# Altium PCB V5+_CORE_RC02.PcbDoc (part 2 of 3) (continued)
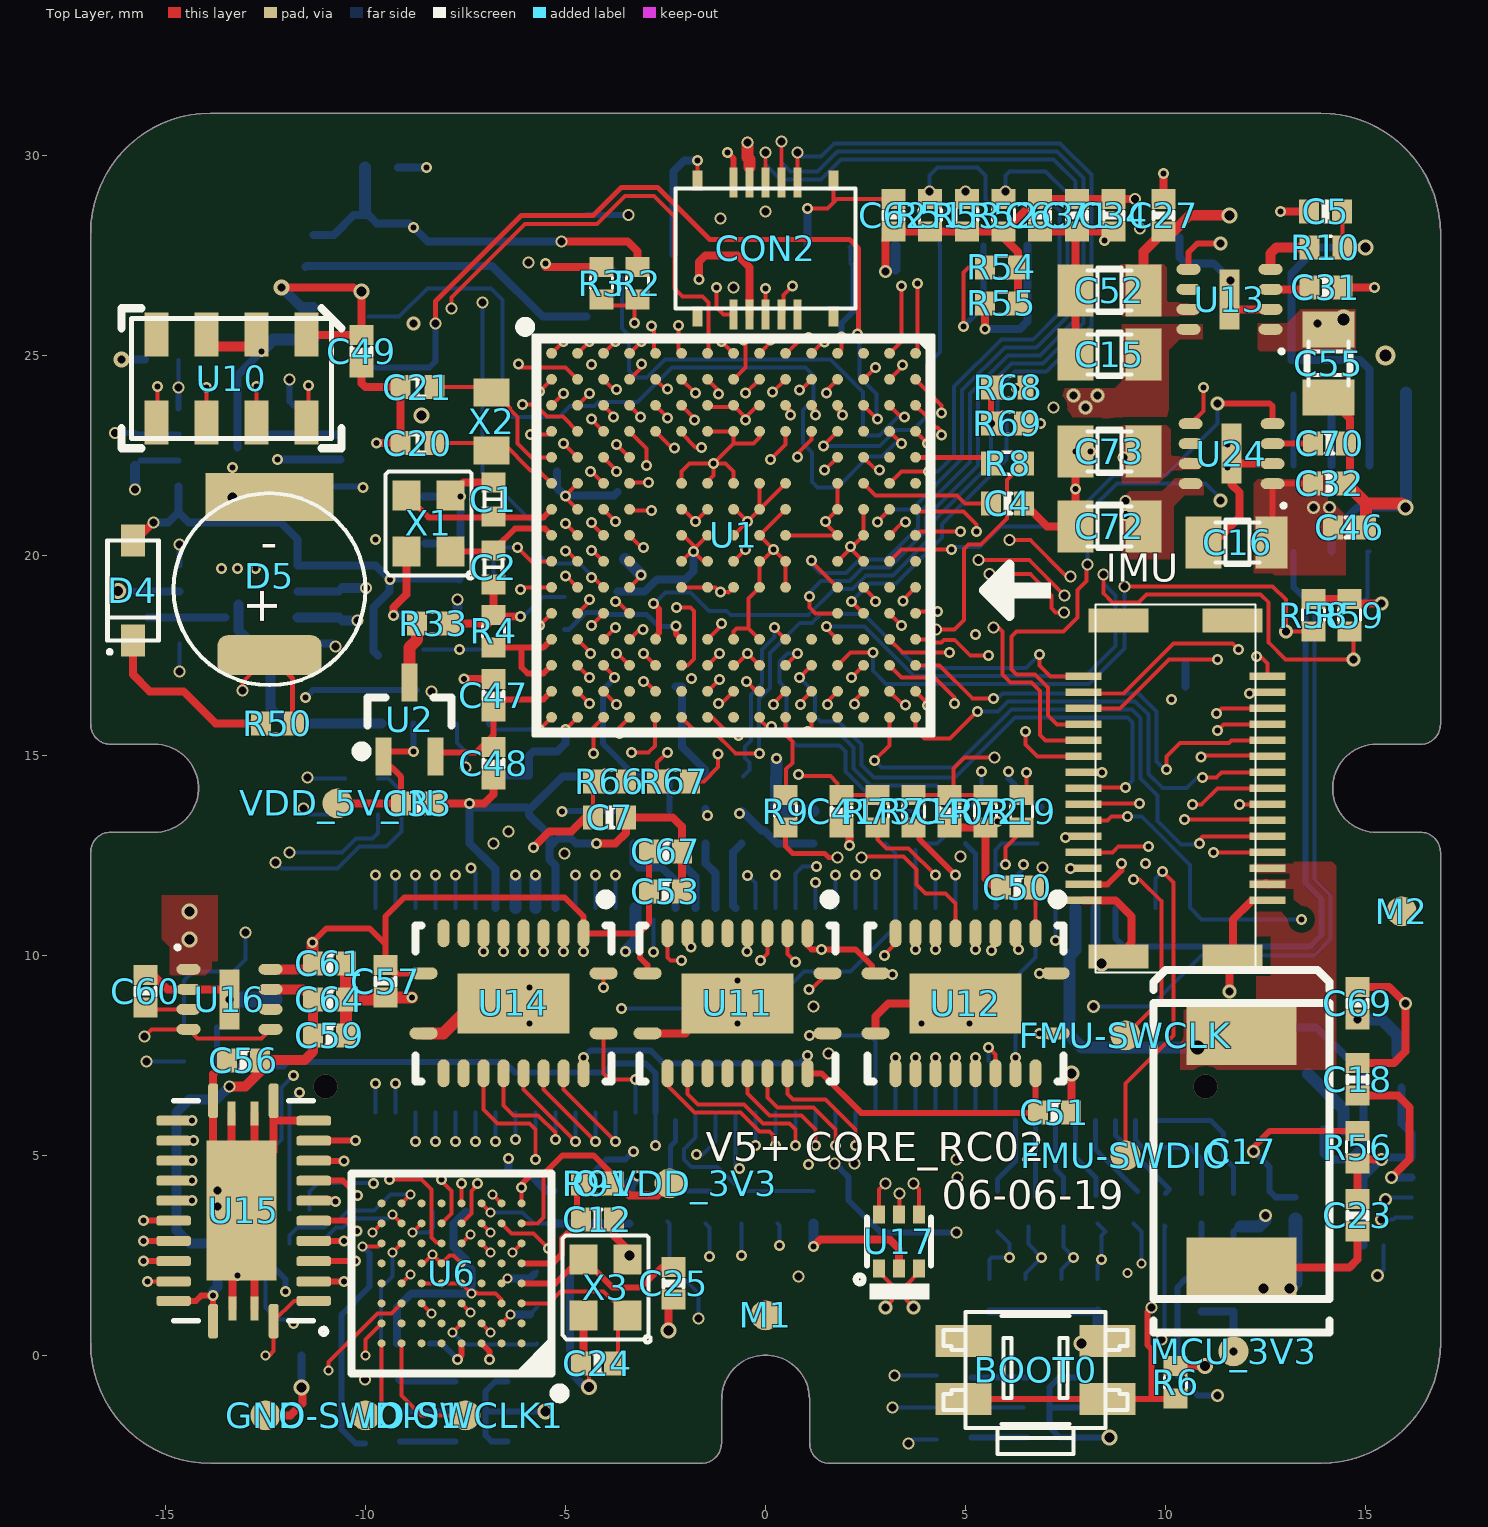
[diagram p0: Top Layer view]
## Nets (pads, with @x,y where several pads share a name; then routed paths per layer and width w, separated by ;. In a path a pad name is that pad's centre, name@x,y a point inside that pad or via, vN(x,y) a via of type N, cw(c..) or ccw(c..) an arc to the next point about the centre after c; other vN are vias at no path point) (continued)
  S1 w0.15: v1(-14.302,5.363) -11.437,5.363 -10.874,5.926 -9.4,5.926 -9.25,6.076 v1(-9.25,6.791)
  Bottom Layer w0.1: CON1.42@-9.25,6.07 v1(-9.25,6.791)
IO-CH3: U6.B3 U15.8 | length 12.1
  Top Layer w0.1: U6.B3@-7.1,0.8 v3(-6.875,0.575)
  Top Layer w0.15: U15.8@-11.297,4.363 -10.564,4.363 v1(-10.2,4)
  S1 w0.1: v1(-10.2,4) -10.2,3.6 -10.35,3.45 -10.709,3.45 -11.282,2.878 -11.282,1.538 -10.36,0.617 -10.36,-0.905 -10.165,-1.1 -8,-1.1 -7.238,-0.338 -7.238,0.212 v3(-6.875,0.575)
IO-CH3-PORT: CON1.43 U15.16 | length 7.3
  Top Layer w0.15: U15.16@-14.836,4.827 U15.16@-14.799,4.863 v1(-14.337,4.863)
  S1 w0.1: v1@-14.3,4.9 -11.582,4.9 -10.781,5.701 -9.102,5.701 v1(-8.75,5.35)
  Bottom Layer w0.1: v1(-8.75,5.35) CON1.43@-8.75,6.07
IO-CH4: U6.A3 U15.7 | length 10.8
  Top Layer w0.15: U15.7@-11.053,3.9 v1@-10.8,3.9 ; U6.A3@-7.1,0.3 -6.9,0.1 v1(-6.9,-0.1)
  S1 w0.1: v1@-10.8,3.9 -10.8,3.642 -11.482,2.961 -11.482,1.455 -10.6,0.574 -10.6,-1.1 -10.4,-1.3 -7.8,-1.3 -6.9,-0.4 v1(-6.9,-0.1)
  other v1: -10.75,3.85
IO-CH4-PORT: CON1.44 U15.17 | length 11.9
  Top Layer w0.15: U15.17@-14.799,4.363 v1(-14.337,4.363)
  S1 w0.1: v1(-14.337,4.363) -14.664,4.363 -14.8,4.5 -14.8,6.168 -13.631,7.338 -9.121,7.338 -8.25,6.467 v1(-8.25,5.35)
  Bottom Layer w0.1: v1(-8.25,5.35) CON1.44@-8.25,6.07
IO-CH5: U6.G4 U15.6 | length 10.9
  Top Layer w0.1: U6.G4@-7.6,3.3 -7.35,3.55 -7.35,4.108 -7.288,4.17 -7.288,4.212 v1(-7.2,4.3)
  Top Layer w0.15: U15.6@-11.297,3.363 -10.463,3.363 v1(-10.213,3.113)
  S1 w0.1: v1(-10.213,3.113) -10.324,3.113 -10.404,3.193 -10.684,3.193 -11.082,2.795 -11.082,1.621 -10.66,1.2 -9.675,1.2 -9.45,1.425 -8.733,1.425 -8.158,2 -7.868,2 -7.7,2.167 -7.7,3.575 -7.2,4.075 v1@-7.2,4.317
IO-CH5-PORT: CON1.45 U15.18 | length 13.4
  Top Layer w0.15: U15.18@-14.836,3.827 U15.18@-14.799,3.863 v1(-14.337,3.863)
  S1 w0.1: v1@-14.3,3.9 -14.9,3.9 -15,4 -15,6.251 -13.714,7.538 -9.038,7.538 -7.75,6.25 v1(-7.75,5.35)
  Bottom Layer w0.1: v1(-7.75,5.35) CON1.45@-7.75,6.07
IO-CH6: U6.H4 U15.5 | length 8.1
  Top Layer w0.1: U6.H4@-7.6,3.8 v1(-7.6,4.3)
  Top Layer w0.15: U15.5@-11.297,2.855 v1(-10.544,2.855)
  S1 w0.1: v1(-10.544,2.855) -10.882,2.518 -10.882,1.704 -10.578,1.4 -9.758,1.4 -9.533,1.625 -8.816,1.625 -8.241,2.2 -8,2.2 -7.9,2.3 -7.9,3.725 -7.6,4.025 v1(-7.6,4.3)
IO-CH6-PORT: CON1.46 U15.19 | length 14.6
  Top Layer w0.15: v1(-15.552,3.363) U15.19@-14.799,3.363
  S1 w0.1: v1(-15.552,3.363) -15.337,3.363 -15.2,3.5 -15.2,6.334 -13.797,7.738 -8.955,7.738 -7.25,6.032 v1(-7.25,5.35)
  Bottom Layer w0.1: v1(-7.25,5.35) CON1.46@-7.25,6.07
IO-CH7: U6.F5 U15.4 | length 6.5
  Top Layer w0.1: v1(-9.4,4.4) -8.6,4.4 -8.35,4.15 -8.35,2.95 -8.225,2.825 -8.125,2.825 U6.F5@-8.1,2.8
  Top Layer w0.15: U15.4@-11.297,2.351 v1(-10.249,2.351)
  S1 w0.1: v1(-10.249,2.351) -9.849,2.351 -9.65,2.55 -9.65,2.709 -9.5,2.859 -9.5,3.24 -9.65,3.39 -9.65,3.809 -9.463,3.997 -9.463,4.337 v1(-9.4,4.4)
IO-CH7-PORT: CON1.47 U15.20 | length 16.1
  Top Layer w0.15: v1(-15.552,2.859) U15.20@-14.799,2.859
  S1 w0.1: v1(-15.552,2.859) -15.76,2.859 -15.9,3 -15.9,3.6 -15.4,4.1 -15.4,6.417 -13.88,7.938 -8.873,7.938 -6.75,5.815 v1(-6.75,5.35)
  Bottom Layer w0.1: v1(-6.75,5.35) CON1.47@-6.75,6.07
IO-CH8: U6.G5 U15.3 | length 6.2
  Top Layer w0.1: U6.G5@-8.1,3.3 -7.85,3.55 -7.85,4.108 -8.1,4.358 v1(-8.1,4.4)
  Top Layer w0.15: U15.3@-11.297,1.843 v1(-10.544,1.843)
  S1 w0.1: v1(-10.544,1.843) -9.557,1.843 -8.475,2.925 -8.475,3.675 -8.1,4.05 v1(-8.1,4.4)
IO-CH8-PORT: CON1.48 U15.21 | length 17.4
  Top Layer w0.15: v1(-15.552,2.351) U15.21@-14.799,2.351
  S1 w0.1: v1(-15.552,2.351) -16.1,2.9 -16.1,3.682 -15.6,4.182 -15.6,6.5 -13.963,8.137 -8.79,8.137 -6.25,5.598 v1(-6.25,5.4) v1@-6.25,5.35
  Bottom Layer w0.1: v1@-6.25,5.35 v1(-6.25,5.4) CON1.48@-6.25,6.07
IO-USART1_TX_DEBUG: CON1.59 U6.C7 | length 19.4
  Top Layer w0.1: v3(-10.925,-0.375) -10.925,-0.172 -9.704,1.05 -9.35,1.05 U6.C7@-9.1,1.3
  S1 w0.1: v3(-10.925,-0.375) -10.925,-1.175 -10.6,-1.5 -7.718,-1.5 -6.563,-0.346 -6.563,0.378 -5.766,1.175 -2.718,1.175 -1.793,2.1 -1.2,2.1 -0.938,2.362 -0.938,4.487 -0.75,4.675 v1(-0.65,4.675)
  Bottom Layer w0.1: v1@-0.75,4.725 CON1.59@-0.75,6.07
IO-VDD_3V3: C26.2 C27.2 C30.1 C52.1 C65.2 C66.2 IO-VDD_3V3.0 R91.1 U6.B2 U6.D2 U6.E4 U6.E5 U6.E6 U6.G1 U6.H1 U7.8 U13.7 | length 83.2
  Top Layer w0.1: U6.E6@-8.6,2.3 -8.55,2.3 v3(-8.325,2.525) U6.E5@-8.1,2.3 -7.9,2.5 -7.8,2.5 U6.E4@-7.6,2.3 ; U6.B2@-6.6,0.8 v3(-6.375,1.025) ; U6.G1@-6.1,3.3 -5.7,3.3 -5.55,3.45 -5.55,4.525 ; U6.H1@-6.1,3.8 v1(-6.1,4.2)
  Top Layer w0.15: v1(-6.1,4.2) -6.1,4.275 -5.85,4.525 -5.55,4.525 -5.075,5 -4.3,5 -3.89,4.59 R91.1@-3.89,4.3
  Top Layer w0.2: R91.1@-3.79,4.3 -3.7,4.3 -3.4,4 -2.7,4 IO-VDD_3V3.0@-2.4,4.3
  Top Layer w0.254: C52.1@9.45,26.625 9.45,27.59 C27.2@9.95,28.09 10.19,28.09 10.6,28.5 v6(11.6,28.5)
  S2 w0.3: v3(-6.375,1.025) -6.375,0.55 -5.95,0.125 -1.775,0.125 -1.05,0.85 1.2,0.85 1.7,0.35 4.574,0.35 5.45,1.226 5.45,2.926 6.024,3.5 9,3.5 12.425,6.925 12.425,15.155 13.425,16.155 13.425,17.003 12.535,17.893 12.535,18.286 12.814,18.565 13.289,18.565 13.425,18.701 12.525,19.601 ; v6(11.6,28.5) 12.5,27.599 ; 12.5,27.599 12.5,19.626 12.525,19.601 ; 12.5,27.599 12.525,19.601
  POWER w0.2: v1(-11.8,0.8) -11.3,1.3 -8.9,1.3 -8.275,1.925 -7.775,1.925 ; v3(-8.325,2.525) -8.325,2.475 -7.775,1.925 ; v3(-6.375,1.025) -6.45,1.1 v3(-6.45,1.925) ; v1(-6.1,4.2) -5.55,4.2 -5,3.65 -5,2.552 -5.627,1.925 v3(-6.45,1.925) ; -7.775,1.925 v3(-6.45,1.925)
  Bottom Layer w0.1: U7.8@-12.9,2.8 -12.9,2.3 -12.5,1.9 -12.5,1.199 -12.2,0.9 C30.1@-11.8,0.9 ; C66.2@-5.885,1.025 C66.2@-5.71,1.2 ; C65.2@-5.785,2.025 C65.2@-5.71,2.1
  Bottom Layer w0.2: v3(-6.45,1.925) -5.885,1.925 C65.2@-5.785,2.025 ; v3(-6.375,1.025) C66.2@-5.885,1.025
IO_A_3V3: C50.2 C53.2 C57.2 C61.2 C67.2 U11.2 U11.10 U12.2 U12.10 U14.2 U14.10 U15.1 U15.2 U16.8 | length 49.5
  Top Layer w0.1: v3(-12.5,0) -12.4,0 -12.297,0.103 U15.1@-12.297,0.853 -11.789,1.361 U15.2@-11.297,1.361 ; C57.2@-9.5,9.76 C57.2@-9.29,9.55 ; v1(-4.55,10.1) U14.2@-4.55,10.55 ; U12.10@2.662,9.637 U12.10@2.75,9.55 U12.10@2.774,9.525 ; U12.2@6.75,10.55 6.75,11.66 C50.2@6.71,11.7 6.71,11.86 6.9,12.05 6.9,12.175 v2(6.925,12.2)
  Top Layer w0.15: v1(-11.325,10.325) -10.975,10.675 -9.9,10.675 -9.5,10.275 ; C57.2@-9.5,9.76 -9.5,10.275 ; C57.2@-9.29,9.55 U14.10@-8.55,9.55 ; U11.10@-2.95,9.55 -2.95,9.752 -3.138,9.939 -3.138,10.575 ; C53.2@-2.91,11.6 -2.91,10.802 -3.138,10.575 ; C53.2@-2.91,11.6 C67.2@-2.91,12.6 ; U11.2@1.05,10.55 1.05,10.25 1.15,10.15 v1(1.4,10.15) 2.25,10.15 2.662,9.737 U12.10@2.662,9.637 ; -9.5,10.275 -9.5,10.975 -9.025,11.45 -5.025,11.45 -4.55,10.975 U14.2@-4.55,10.55 -3.163,10.55 -3.138,10.575
  Top Layer w0.25: U16.8@-12.375,9.65 C61.2@-11.46,9.65
  Top Layer w0.3: v1(-11.325,10.325) -11.325,9.815 C61.2@-11.31,9.8
  S1 w0.15: v1(-4.55,10.1) -4.55,9.825 -4.325,9.6 -2.9,9.6 -2.312,9.012 0.44,9.012 0.933,9.504 1.379,9.95 1.379,10.15 v1(1.4,10.15) ; v1(3.175,9.525) 3.224,9.525 3.45,9.3 5.987,9.3 6.687,10 6.687,11.962 v2(6.925,12.2)
  POWER w0.2: v3(-12.5,0) -12.5,5 -13.9,6.4 -13.9,7 -13.513,7.388 -11.613,7.388 -11.325,7.675 v1(-11.325,10.325)
IO_B_3V3: C51.2 C56.2 C58.2 C59.2 C64.2 U11.19 U12.19 U14.19 U15.23 U15.24 U16.7 | length 37.5
  Top Layer w0.1: U11.19@1.05,7.05 v1(1.05,7.5)
  Top Layer w0.15: U15.23@-14.799,1.361 -14.239,1.361 -14.109,1.491 v1(-13.809,1.491) U15.24@-13.809,0.853 ; U11.19@1.05,7.05 1.4,7.05 2.39,6.06 6.75,6.06 U12.19@6.75,7.05
  Top Layer w0.25: v2(-13.401,6.725) -13.001,6.725 ; -13,6.725 -12.338,7.388 -11.513,7.388 -11.31,7.59 C64.2@-11.31,8.9 -11.56,9.15 U16.7@-12.375,9.15
  POWER w0.25: v2(-13.401,6.725) -12.525,6.725 -11.775,5.975 -5.025,5.975 -4.55,6.45 v1(-4.55,7.45)
  Bottom Layer w0.15: v1(-4.55,7.45) -4.375,7.625 -2.875,7.625 -2.55,7.3 0.85,7.3 v1(1.05,7.5)
  Bottom Layer w0.25: v1(-13.809,1.491) -13.809,1.6 -13.7,1.708 C58.2@-13.7,2.8 -14.4,2.8 -14.725,3.125 -14.725,6.075 -14.4,6.4 -13.726,6.4 v2(-13.401,6.725)
IO_BOOT0: R90.2 U6.B4 | length 2.6
  Top Layer w0.1: v3(-7.825,0.575) U6.B4@-7.6,0.8
  Bottom Layer w0.1: v3(-7.825,0.575) -7.525,0.275 -5.735,0.275 R90.2@-5.71,0.3
IO_BOOT1: R80.1 U6.G6 | length 1.3
  Top Layer w0.1: v3(-8.825,3.075) U6.G6@-8.6,3.3
  Bottom Layer w0.1: v3(-8.825,3.075) -8.425,3.075 -8.31,3.19 R80.1@-8.31,3.6
IO_OSC_OUT: C25.2 U6.D1 X3.3 | length 4.4
  Top Layer w0.15: U6.D1@-6.1,1.8 -5.25,1.8 X3.3@-4.65,2.4 ; X3.3@-4.55,2.4 -4.532,2.4 -3.832,1.7 -3.1,1.7 -2.59,2.21 C25.2@-2.3,2.21
IO_PPM_INPUT: R99.2 U6.D7 | length 14.9
  Top Layer w0.1: U6.D7@-9.1,1.8 v3(-8.875,2.025)
  S2 w0.1: v2(-15.475,7.35) -15.475,6.625 -14.819,5.968 -14.819,1.472 -14.497,1.15 -13.204,1.15 -12.416,1.937 -11.495,1.937 -10.682,1.125 -9.075,1.125 -8.875,1.325 v3(-8.875,2.025)
  Bottom Layer w0.1: v2(-15.475,7.35) R99.2@-14.535,7.35
IO_RESET: C12.2 R91.2 U6.E1 | length 3.1
  Top Layer w0.15: U6.E1@-6.1,2.3 -5.323,2.3 -5.087,2.535 -5.087,2.923 C12.2@-4.61,3.4 ; C12.2@-4.71,3.4 R91.2@-4.71,4.3
IO_RSSI_IN: R65.1 U6.B8 U6.F4 | length 15
  Top Layer w0.1: v3(-10,0) -10,0.4 U6.B8@-9.6,0.8 ; U6.F4@-7.6,2.8 v3(-7.375,3.025)
  S1 w0.1: v3(-10,0) -10,0.875 -9.875,1 -9.593,1 -9.368,1.225 -8.65,1.225 -8.075,1.8 -7.785,1.8 -7.375,2.209 v3(-7.375,3.025)
  S2 w0.1: v3(-7.375,3.025) -7.375,2.562 -7.063,2.25 -6.15,2.25 -5.7,1.8 -0.9,1.8 -0.6,2.1 v1(-0.6,2.5)
  Bottom Layer w0.1: v1(-0.6,2.5) R65.1@-0.6,3.29
IO_SAFETY_SWITCH_IN: R82.1 U6.C4 | length 27.4
  Top Layer w0.1: U6.C4@-7.6,1.3 v3(-7.375,1.075)
  S2 w0.1: v3(-7.375,1.075) -7.225,1.225 -7.216,1.225 -7.091,1.35 1.532,1.35 2.363,2.18 2.363,4.158 2.987,4.782 2.987,6.803 2.55,7.24 2.55,10.567 2.87,10.887 3.221,10.887 3.887,11.553 3.887,13.979 4.17,14.262 5.737,14.262 v1(6.075,14.6)
  Bottom Layer w0.15: v1(6.075,14.6) 6.075,14.425 6.8,13.7 R82.1@6.8,13.61 R82.1@6.9,13.71
IO_SBUS_INPUT: U6.H7 U7.6 | length 4
  Top Layer w0.1: U6.H7@-9.1,3.8 v3(-8.875,4.025)
  Bottom Layer w0.1: U7.6@-11.9,2.8 -11.9,2.999 -11.7,3.2 -11.025,3.2 -10.825,3.4 -10.651,3.4 -10.425,3.625 -9.775,3.625 -9.375,4.025 v3(-8.875,4.025)
IO_SBUS_OUTPUT: U6.G7 U7.5 | length 2.7
  Top Layer w0.1: v3(-9.325,3.525) U6.G7@-9.1,3.3
  Bottom Layer w0.1: U7.5@-11.4,2.8 -11.142,2.8 -10.742,3.2 -10.568,3.2 -10.342,3.425 -9.425,3.425 v3(-9.325,3.525)
IO_SPARE_GPIO1: U6.D3
IO_SPARE_GPIO2: U6.C3
IO_SPARE_GPIO3: U6.A1
IO_SPARE_GPIO4: U6.B1
IO_SPARE_GPIO5: U6.C8
IO_SPARE_GPIO6: U6.H8
IO_SWCLK: IO-SWCLK1.0 U6.A7 | length 3.3
  Top Layer w0.1: U6.A7@-9.1,0.3 -9.1,-1 -8.6,-1.5 IO-SWCLK1.0@-7.35,-1.5
IO_SWDIO: IO-SWDIO1.0 U6.A8 | length 1.9
  Top Layer w0.1: IO-SWDIO1.0@-9.9,-1.5 -9.6,-1.2 U6.A8@-9.6,0.3
IO_SWO: U6.A5
IO_USART1_RX_SBUS_INPUT: R17.1 U6.C6 U7.2 | length 23.6
  Top Layer w0.1: U6.C6@-8.6,1.3 -8.35,1.05 v3(-8.35,1.045)
  S1 w0.1: v3(-8.35,1.045) -8.205,0.9 -7.691,0.9 -7.5,0.709 -7.216,0.709 -6.55,1.375 -2.8,1.375 -1.713,2.462 -1.413,2.462 v1(-1.4,2.475)
  S2 w0.1: v1(-11.8,7) -12.2,6.6 -12.2,2.4 -11.937,2.137 -11.412,2.137 -10.6,1.325 -9.4,1.325 -9.2,1.525 -9.2,2.159 -9.01,2.35 -8.741,2.35 -8.35,1.959 v3(-8.35,1.045)
  Bottom Layer w0.1: U7.2@-12.4,3.65 -12.4,5.1 -12.1,5.4 -12.1,6.407 ; -12.1,6.408 -12.1,6.7 v1(-11.8,7) ; R17.1@-1.5,3.29 -1.4,3.19 v1(-1.4,2.475)
IO_USART2_RX_FROM_FMU: R84.1 U6.G3 | length 23.1
  Top Layer w0.1: U6.G3@-7.1,3.3 v3(-6.875,3.075)
  S1 w0.1: v2@-12.2,12.325 -11.975,12.1 -11.975,8.875 -11.438,8.337 -8.707,8.337 -5.913,5.544 -5.913,5.26 -6.088,5.085 -6.088,4.737 -4.983,3.632 -4.983,2.408 -5.29,2.1 -5.9,2.1 -5.9,2.699 -6.275,3.075 v3(-6.875,3.075)
  Bottom Layer w0.1: v2(-12.25,12.325) -12.1,12.175 -10.7,12.175 -10.15,12.725 -9.475,12.725 -9.1,13.1 -9.1,14.1 -9.425,14.425 R84.1@-9.69,14.425
IO_USART2_TX_TO_FMU: R81.1 U6.F3 | length 21.2
  Top Layer w0.1: U6.F3@-7.1,2.8 v3(-6.875,2.575)
  S1 w0.1: v2@-11.875,12.525 -11.775,12.425 -11.775,8.957 -11.355,8.537 -8.624,8.537 -5.588,5.501 -5.588,5.26 -5.413,5.085 -5.413,4.412 -4.7,3.699 -4.7,2.408 -5.533,1.575 -6.56,1.575 -6.875,1.89 v3(-6.875,2.575)
  Bottom Layer w0.1: v2(-11.9,12.575) -10.583,12.575 -10.233,12.925 -9.825,12.925 -9.69,13.06 R81.1@-9.69,13.525
IO_VDD_SERVO_SENSE: C54.1 R92.2 R93.2 U6.H3 | length 3.9
  Top Layer w0.1: U6.H3@-7.1,3.8 v3(-6.875,3.575)
  Bottom Layer w0.1: v3(-6.875,3.575) -6.075,3.575 -5.79,3.29 R93.2@-5.3,3.29
  Bottom Layer w0.2: R93.2@-5.3,3.29 R92.2@-4.3,3.29 C54.1@-3.4,3.29
MCU_3V3: BOOT0.A2 C5.2 C6.2 C7.2 C8.2 C9.2 C10.2 C11.2 C14.1 C15.1 C22.1 D4.A MCU_3V3.0 R1.2 R2.2 R5.2 R7.2 R10.2 R15.2 R16.2 R18.2 R24.2 R25.2 R29.2 R30.2 R31.2 R32.2 R49.1 R66.2 R68.2 R75.2 R76.2 U1.C5 U1.C7 U1.C8 U1.C9 U1.F3 U1.G3 U1.G13 U1.H13 U1.J12 U1.J13 U1.K4 U1.N8 U1.N9 U1.N10 U3.8 U5.6 U8.5 U9.5 U13.8 U16.4 U16.5 | length 133
  Top Layer w0.1: v2(-15.525,7.975) -15.35,8.15 U16.4@-14.425,8.15 -14.2,7.925 -12.6,7.925 U16.5@-12.375,8.15 ; v1@-4.375,22.125 U1.F3@-4.05,21.8 ; C7.2@-4.31,13.64 R66.2@-4.31,14.35 ; U1.G3@-4.05,21.15 v1(-3.75,20.85) ; U1.K4@-3.4,19.2 -3.113,19.487 v1(-3.113,19.512) ; U1.C5@-2.75,23.75 -2.45,23.45 v1@-2.45,23.476 ; U1.C7@-1.45,23.75 -1.413,23.712 -0.838,23.712 U1.C8@-0.8,23.75 v1@-0.5,23.45 ; U1.N8@-0.75,17.25 v1(-0.45,17.55) U1.N9@-0.15,17.25 ; v1(-0.5,23.376) v1@-0.5,23.45 ; U1.C9@-0.2,23.75 v1@-0.5,23.45 ; U1.N10@0.5,17.25 v1(0.8,17.55) ; U1.J12@1.8,19.85 v1@2.125,20.175 ; U1.J13@2.45,19.85 v1@2.125,20.175 ; U1.G13@2.45,21.15 U1.H13@2.45,20.5 2.175,20.225 v1(2.125,20.225) v1@2.125,20.175 ; R10.2@14.42,27.7 C5.2@14.42,28.59
  Top Layer w0.2: D4.A@-15.818,20.364 -15.761,20.364 v2(-15.3,20.825) ; v1(-5.8,12.7) -5.4,13.1 -4.85,13.1 C7.2@-4.31,13.64 ; v2(-5.1,27.85) -3.45,27.85 -3.2,27.6 R2.2@-3.2,27.21 ; R10.2@14.42,27.7 v6(15,27.7)
  S1 w0.2: v8(-16.1,24.9) -16.1,24 -15.8,23.7 -15.3,23.7 -15,23.4 -15,21.125 v2(-15.3,20.825)
  S2 w0.2: v2(-15.525,7.975) -15.525,9.275 -14.9,9.9 -12.7,9.9 -12.5,10.1 -12.5,11.3 -12.2,11.6 -11.3,11.6 -10.65,12.25 -10.65,14.35 -10.3,14.7 v2(-7.5,14.7) -7.8,14.4 -7.8,12.8 -7.57,12.569 -7.202,12.569 -7.033,12.4 -6.635,12.4 -6.535,12.5 -6.1,12.5 -5.9,12.7 v1(-5.8,12.7) ; 10.3,1.7 11.2,1.7 11.7,1.2 v4(11.7,0.1)
  S2 w0.25: v1(6.275,24.175) 6.275,28.575 7.035,29.335 9.411,29.335 9.845,28.9 11,28.9 11.4,29.3 13.4,29.3 13.9,28.8 13.9,27.7 ; v6(7.9,0.3) 7.9,1.3 8.252,1.652 10.252,1.652 10.6,2 10.6,4.57 12.8,6.77 12.8,15 13.8,16 13.8,18.9 12.9,19.8 12.9,27.3 13.3,27.7 13.9,27.7 ; v6(15,27.7) 13.9,27.7
  Bottom Layer w0.1: R7.2@-7.71,15.8 -7.71,15.31 -7.5,15.1 v2(-7.5,14.7) ; v1(0.8,17.55) 0.55,17.55 0.35,17.35 0.35,16.837 0.525,16.662 0.525,15.5 0.775,15.25 1.85,15.25 2,15.1 2,14.592 2.982,13.61 R31.2@3,13.61 R32.2@3.9,13.61
  Bottom Layer w0.15: v1@-9.4,19.4 R5.2@-7.62,19.4 ; R5.2@-7.675,19.39 R5.2@-7.653,19.367
  Bottom Layer w0.2: v8(-16.1,24.9) R1.2@-15.51,24.9 ; v2(-15.3,20.825) -14.925,20.825 -14.675,21.075 ; U8.5@-14.675,21.725 -14.675,21.075 ; R49.1@-11.3,28.01 -10.79,28.01 -10.295,28.505 U3.8@-9.925,28.505 -9.72,28.3 -8.9,28.3 -8.45,27.85 v2(-5.1,27.85) ; R18.2@-9.69,17.5 -9.8,17.61 -9.8,18.7 -9.4,19.1 -9.4,19.4 -9.75,19.75 U9.5@-11.7,19.75 -11.7,20.4 -12.125,20.825 -14.425,20.825 -14.675,21.075 ; R29.2@5.6,1.09 R16.2@8.3,1.09 ; R25.2@10.9,1.09 R24.2@11.7,1.09 v4(11.7,0.1) ; v6(15,27.7) 13.8,27.7 13.15,27.05 R76.2@13.15,24.885 R75.2@14.15,24.885 14.865,24.885 15.1,24.65 U5.6@15.1,22.25
  Bottom Layer w0.25: v6(7.9,0.3) 8.2,0.3 8.3,0.4 R16.2@8.3,1.09
  Bottom Layer w0.3: U3.8@-10.01,28.59 C8.2@-10.01,29.7 ; C9.2@-3.51,19.91 v1(-3.113,19.512)
  other v1: -9.39,19.39 -4.375,22.1 -2.45,23.426 -8.8,28.2
  other v5: 8,23.7 7.7,24 8.3,24
  other v6: -8.6,23.5
NetC3_1: C3.1 U1.M10 | length 4.6
  Top Layer w0.1: v1(0.225,18.201) 0.225,18.175 U1.M10@0.5,17.9
  Bottom Layer w0.1: C3.1@-0.56,14.475 -0.406,14.629 -0.406,14.814 -0.518,14.926 -0.518,15.216 -0.363,15.371 -0.363,16.521 -0.088,16.796 -0.088,17.645 0.225,17.958 v1(0.225,18.201)
NetC4_1: C4.1 U1.F13 | length 3.4
  Top Layer w0.1: U1.F13@2.45,21.8 2.75,21.5 4.79,21.5 4.99,21.3 C4.1@5.64,21.3
NetC18_2: C18.2 U4.14 | length 3.9
  Top Layer w0.2: C18.2@14.8,6.49 15.31,6.49 15.81,6.49 16.1,6.2 16.1,4.9 15.9,4.7 v4(15.65,4.45)
  Bottom Layer w0.2: v4(15.65,4.45) U4.14@16.15,4.45
NetC19_1: C19.1 U4.10 | length 1.8
  Bottom Layer w0.3: C19.1@13.562,7.038 14.45,6.15 U4.10@14.45,5.65
NetC24_1: C24.1 U6.C1 X3.1 | length 4.2
  Top Layer w0.1: U6.C1@-6.1,1.3 -5.432,1.3 -5.132,1.6 -4.05,1.6 X3.1@-3.59,1.14 ; C24.1@-3.69,-0.2 X3.1@-3.69,1.14
NetC31_1: C31.1 U13.3 | length 0.9
  Top Layer w0.2: U13.3@12.625,26.65 C31.1@13.55,26.65
NetC60_1: C60.1 U16.3 | length 1
  Top Layer w0.1: C60.1@-15.46,8.65 U16.3@-14.425,8.65
NetC70_1: C70.1 U24.3 | length 1.1
  Top Layer w0.15: U24.3@12.677,22.789 C70.1@13.779,22.789
NetD1_1: D1.1 R41.2 | length 1.4
  Bottom Layer w0.15: R41.2@5.15,-0.55 D1.1@6.55,-0.55
NetD1_3: D1.3 R42.2 | length 1.4
  Bottom Layer w0.1: R42.2@5.1,-1.3 D1.3@6.45,-1.3
NetD1_5: D1.5 R40.2 | length 1.4
  Bottom Layer w0.15: R40.2@5.15,-2.05 D1.5@6.55,-2.05
NetD2_1: D2.1 R95.2 | length 1.5
  Bottom Layer w0.15: R95.2@-9.19,-0.6 -9.14,-0.65 D2.1@-7.75,-0.65
NetD2_3: D2.3 R96.2 | length 1.3
  Bottom Layer w0.15: R96.2@-9.19,-1.4 D2.3@-7.85,-1.4
NetD2_5: D2.5 R97.2 | length 1.4
  Bottom Layer w0.15: R97.2@-9.14,-2.15 D2.5@-7.75,-2.15
NetD4_K: D4.K R50.2 | length 4.6
  Top Layer w0.2: D4.K@-15.818,17.864 -15.818,17.017 -15.4,16.6 -14.55,16.6 -13.75,15.8 R50.2@-12.61,15.8
NetR10_1: R10.1 U13.4 | length 1.4
  Top Layer w0.25: U13.4@12.625,27.15 12.625,27.55 12.775,27.7 R10.1@13.6,27.7
NetR33_2: R33.2 U2.3 | length 1.6
  Top Layer w0.3: U2.3@-8.9,16.825 -8.9,17.7 -8.71,17.89 R33.2@-8.71,18.3
NetR76_1: R76.1 U5.4 | length 1.8
  Bottom Layer w0.15: U5.4@13.2,22.25 R76.1@13.2,24.015
NFMU_SAFETY_SWITCH_LED_OUT: R9.2 U1.R10 | length 1.9
  Top Layer w0.1: U1.R10@0.5,15.95 0.5,15.525 0.675,15.35 0.675,14.812 0.514,14.652 R9.2@0.514,14.21
NIO_LED_AMBER: R96.1 U6.F7 | length 4.7
  Top Layer w0.1: v3(-9.325,2.575) U6.F7@-9.1,2.8
  Bottom Layer w0.1: R96.1@-10.01,-1.4 -9.725,-1.4 -9.61,-1.285 -9.61,1.69 -9.325,1.975 v3(-9.325,2.575)
NIO_LED_BLUE: R97.1 U6.F8 | length 6.2
  Top Layer w0.1: v3(-10.075,2.725) -9.675,2.725 U6.F8@-9.6,2.8
  Bottom Layer w0.15: v3(-10.075,2.725) -9.9,2.551 -9.9,1.718 -10.6,1.018 -10.6,-1.85 -10.25,-2.2 R97.1@-10.01,-2.2
NIO_SAFETY_SWITCH_LED_OUT: R89.2 U6.G8 | length 29.4
  Top Layer w0.1: v3(-9.825,3.075) U6.G8@-9.6,3.3
  S2 w0.1: v3(-9.825,3.075) -9.285,3.075 -8.96,2.75 -8.6,2.75 -8.5,2.85 -8.15,2.85 -7.3,2 -6.985,2 -6.535,1.55 1.45,1.55 2.163,2.263 2.163,4.241 2.787,4.865 2.787,6.72 2.35,7.157 2.35,10.65 2.787,11.087 3.138,11.087 3.687,11.636 3.687,14.062 4.225,14.6 v1(5.4,14.6)
  Bottom Layer w0.1: R89.2@5,13.61 5.4,14.01 v1(5.4,14.6)
NIO_VDD_SERVO_IN_FAULT: U6.A6
nLED_BLUE: R40.1 U1.G15 | length 33.8
  Top Layer w0.1: U1.G15@3.75,21.15 3.8,21.1 4.95,21.1 5.275,20.775 v1(5.275,20.6)
  S1 w0.1: v2(3.575,-2.2) 4.6,-2.2 5.35,-1.45 5.35,3.142 6.075,3.867 6.075,6.075 5.25,6.9 2.975,6.9 2.637,7.237 2.637,10.429 3.287,11.079 3.287,14.394 3.462,14.569 3.462,15.539 2.962,16.039 2.962,16.485 2.962,16.523 3.239,16.8 6.025,16.8 6.25,17.025 6.25,19.728 5.379,20.6 v1(5.275,20.6)
  Bottom Layer w0.1: v2(3.575,-2.2) 3.675,-2.1 R40.1@4.28,-2.1
nLED_GREEN: R41.1 U1.H15 | length 32.3
  Top Layer w0.1: U1.H15@3.75,20.5 3.85,20.6 v1(4.875,20.6)
  S1 w0.1: v2(3.225,-0.5) 4.6,-0.5 5.15,0.05 5.15,3.225 5.875,3.95 5.875,5.992 5.167,6.7 2.892,6.7 2.437,7.154 2.437,10.512 3.087,11.162 3.087,14.477 3.262,14.652 3.262,15.456 2.762,15.956 2.762,16.567 2.762,16.606 3.156,17 5.9,17 6.05,17.15 6.05,19.646 5.433,20.262 5.135,20.262 4.937,20.46 4.937,20.537 v1(4.875,20.6)
  Bottom Layer w0.1: v2@3.125,-0.5 v2(3.225,-0.5) R41.1@4.28,-0.5
nLED_RED: R42.1 U1.R4 | length 23.6
  Top Layer w0.1: v1(-3.65,15.55) -3.65,15.7 U1.R4@-3.4,15.95
  S1 w0.1: v2(0.825,1.975) 1.725,1.975 2.225,1.475 2.225,-1.025 2.5,-1.3 v2(3.175,-1.3)
  S2 w0.1: v1(-3.65,15.55) -3.688,15.512 -3.688,14.612 -3.05,13.975 -3.05,11.3 -3.838,10.512 -3.838,9.96 -3.35,9.472 -3.35,8.977 -2.55,8.177 -2.55,6.875 -1.388,5.712 -1.388,3.587 -0.95,3.15 -0.2,3.15 0,2.95 0,2.475 0.125,2.35 0.65,2.35 0.825,2.175 v2(0.825,1.975)
  Bottom Layer w0.1: v2(3.175,-1.3) R42.1@4.28,-1.3
NPOWER_IN_A: CON1.28 U1.M7 | length 20.5
  Top Layer w0.1: U1.M7@-1.45,17.9 -1.1,18.25 v1(-1.1,18.3)
  S1 w0.1: v1(-3.754,12.007) -3.777,12.007 -4.114,11.669 -5.17,11.669 -5.4,11.9 -5.4,12.722 -4.623,13.5 -2.2,13.5 -1.7,13 -0.249,13 0.551,13.8 1.007,13.8 1.568,14.361 1.568,14.732 1.44,14.86 0.687,14.86 0.612,14.785 0.252,14.425 -1.25,14.425 -1.888,15.062 -1.888,15.687 -2.188,15.987 -2.188,17.712 -1.6,18.3 v1(-1.1,18.3)
  Bottom Layer w0.1: CON1.28@-3.754,11.186 v1@-3.754,11.907
NPOWER_IN_B: CON1.29 U1.L15 | length 16.2
  Top Layer w0.1: U1.L15@3.75,18.55 3.8,18.6 v1(4.3,18.6)
  S1 w0.1: v1(-4.254,12.007) -4.231,12.007 -3.894,12.344 -0.056,12.344 0.8,13.2 1.255,13.2 2.187,14.132 2.187,14.961 1.212,15.936 1.212,16.502 1.425,16.714 1.425,17.352 1.586,17.513 1.872,17.513 2.359,18 3,18 3.2,17.8 3.7,17.8 3.8,17.9 3.8,18.4 4,18.6 v1(4.3,18.6)
  Bottom Layer w0.1: CON1.29@-4.254,11.186 v1@-4.254,11.907
NPOWER_IN_C: CON1.30 U1.K15 | length 16.9
  Top Layer w0.1: v1@3.437,18.887 U1.K15@3.75,19.2
  S1 w0.1: v1(-4.754,12.007) -4.361,12.4 -4.121,12.4 -3.977,12.544 -0.139,12.544 0.717,13.4 1.172,13.4 1.968,14.195 1.968,14.898 1.606,15.26 0.888,15.26 0.537,15.611 0.537,16.415 0.462,16.49 0.462,17.689 0.66,17.887 0.939,17.887 1.114,17.713 1.79,17.713 2.276,18.2 2.8,18.2 3.437,18.837 v1(3.437,18.862)
  Bottom Layer w0.1: CON1.30@-4.754,11.186 v1@-4.754,11.907
NRST: C42.1 R5.1 U1.J1 U5.1 | length 47.7
  Top Layer w0.1: v1(-6.2,20.2) -5.85,19.85 U1.J1@-5.35,19.85
  S2 w0.1: v2(-6.8,12.8) -6.8,13.3 -6.3,13.8 -6.3,17.317 -6.95,17.967 -6.95,19.45 v1(-6.2,20.2)
  POWER w0.1: v2(-6.8,12.8) -6.75,12.75 -6.25,12.75 -5.938,13.062 -4.688,13.062 -4.225,13.525 -3.607,13.525 -2.683,12.6 -0.017,12.6 0.482,13.1 1.296,13.1 1.721,13.525 4.06,13.525 4.76,12.825 5.02,12.825 5.262,12.582 5.262,11.821 6.675,10.409 6.675,10 6.475,9.8 6.475,9.288 7.038,8.725 v4(8.2,8.725)
  Bottom Layer w0.1: R5.1@-6.8,19.4 C42.1@-6.8,20.3 ; C42.1@-6.65,20.15 -6.6,20.2 v1(-6.2,20.2) ; v4(8.2,8.725) 9.625,8.725 10.9,10 13.718,10 14.125,10.407 14.125,11.493 13.725,11.893 13.725,18.625 13.9,18.8 14.9,18.8 15.05,18.95 15.05,20.1 U5.1@15.1,20.1
NSBUS_OUTPUT_EN: R38.2 U6.A4 U7.7 | length 7.7
  Top Layer w0.15: v1(-7.7,-0.1) -7.6,0 U6.A4@-7.6,0.3
  S2 w0.15: v1(-12,1.6) -11.475,1.6 -11.35,1.475 -10.776,0.9 -9.437,0.9 -8.436,-0.1 v1(-7.7,-0.1)
  Bottom Layer w0.15: U7.7@-12.4,2.8 -12.4,2.3 -12,1.9 v1(-12,1.6) ; R38.2@-8.39,0.3 -8.1,0.3 v1(-7.7,-0.1)
NSPI5_RESET_EXTERNAL1: U1.R12
NVDD_5V_HIPOWER_EN: U1.P6
NVDD_5V_HIPOWER_OC: CON1.14 R31.1 U1.N6 | length 23.8
  Top Layer w0.1: v1(-2.225,18.7) -1.875,18.7 -1.788,18.612 -1.788,17.412 -1.95,17.25 U1.N6@-2.1,17.25
  S2 w0.1: v1(-3.6,8.675) -3.6,9.44 -4.038,9.877 -4.038,10.595 -3.75,10.882 -3.75,10.893 -3.25,11.393 -3.25,13.859 -3.963,14.571 -3.963,15.19 -3.988,15.215 -3.988,15.689 -3.79,15.887 -3.313,15.887 -2.938,16.262 -2.938,16.486 -2.713,16.711 -2.713,16.99 -2.633,17.07 -2.633,18.342 -2.275,18.7 v1(-2.225,18.7)
  Bottom Layer w0.1: v1(-3.6,8.675) 0.032,8.675 0.957,9.6 2.125,9.6 3.246,10.721 CON1.14@3.246,11.186 3.246,12.543 R31.1@3,12.79
NVDD_5V_PERIPH_EN: U1.K14
NVDD_5V_PERIPH_OC: CON1.13 R32.1 U1.R11 | length 8
  Top Layer w0.1: v1(1.05,15.6) 1.075,15.6 1.15,15.675 U1.R11@1.15,15.95
  Bottom Layer w0.1: v1(1.05,15.6) 1.791,15.6 2.2,15.192 2.2,14.675 2.625,14.25 4.275,14.25 4.5,14.025 4.5,13 4.29,12.79 R32.1@3.9,12.79 ; CON1.13@3.746,11.186 R32.1@3.746,12.636
OTG_FS_DM: CON1.17 U17.6 | length 9.9
  Top Layer w0.1: U17.6@2.841,3.615 2.841,4.141 v2(3,4.3)
  POWER w0.1: v1(1.746,12.007) 1.746,11.578 2.4,10.924 2.4,6.7 3.2,5.9 3.2,4.4 3.1,4.3 v2(3,4.3)
  Bottom Layer w0.1: CON1.17@1.746,11.186 v1@1.746,11.907
OTG_FS_DP: CON1.16 U17.4 | length 9.8
  Top Layer w0.1: v2(3.7,4.3) 3.841,4.159 U17.4@3.841,3.615
  POWER w0.1: v1(2.246,12.007) 2.246,11.578 2.604,11.221 2.604,6.779 3.6,5.783 3.6,4.4 v2(3.7,4.3)
  Bottom Layer w0.1: CON1.16@2.246,11.186 v1@2.246,11.907
PDR_ON: R2.1 R3.1 U1.C6 | length 5.7
  Top Layer w0.1: R3.1@-4.2,26.24 -3.225,26.24 -3.276,26.189 v1(-3.276,25.801) ; U1.C6@-2.1,23.75 -1.775,23.425 v1(-1.775,23.376)
  S2 w0.1: v1(-3.276,25.801) -3.253,25.801 -2.99,26.063 -2.711,26.063 -2.513,25.866 -2.513,25.038 -2.088,24.613 -2.088,23.911 -1.775,23.599 v1(-1.775,23.376)
PPM_IN: CON1.55 R11.2 R99.1 | length 13.9
  Bottom Layer w0.1: v1@-2.75,5.35 CON1.55@-2.75,6.07
  Bottom Layer w0.15: R11.2@-13.715,8.2 R99.1@-13.715,7.35 -13.59,7.225 -12.053,7.225 -11.94,7.338 -6.538,7.338 -6.275,7.075 -4.025,7.075 -3.8,7.3 -3,7.3 -2.75,7.05 CON1.55@-2.75,6.07
  other v1: -2.75,5.25
RSSI_IN_PORT: C43.1 CON1.57 R27.2 R65.2 | length 4.9
  Bottom Layer w0.1: CON1.57@-1.75,6.07 -1.75,5.45 -1.967,5.233 -1.967,5.225 -2.038,5.154 -2.038,4.895 -1.855,4.712 -1.203,4.712 ; -1.203,4.7 -1.19,4.7 -0.6,4.11 0.3,4.11 C43.1@1.2,4.11
SAFETY_SW: CON1.9 R19.2 R82.2 R83.1 | length 4
  Top Layer w0.1: v1(6,12.275) 6,12.69 R19.2@6.5,13.19
  Bottom Layer w0.1: CON1.9@5.8,11.24 CON1.9@5.746,11.186 5.746,12.636 R83.1@5.9,12.79 R82.2@6.8,12.79 ; 5.8,12.275 v1(6,12.275)
SAFETY_SW_LED: CON1.10 R9.1 R89.1 | length 8
  Top Layer w0.125: R9.1@0.5,13.19 0.5,12.725 0.674,12.55 1.474,12.55 1.575,12.45 v2(1.8,12.45)
  POWER w0.125: v2(1.8,12.45) 1.55,12.7 1.55,12.95 1.912,13.312 3.972,13.312 4.81,12.475 v2(4.875,12.475)
  Bottom Layer w0.125: R89.1@5,12.79 5.246,12.543 CON1.10@5.246,11.186
SBUS_OUTPUT_PROT: CON1.58 U7.3 | length 15.4
  S2 w0.1: v1(-11.65,6.575) -11.65,6.15 -11.35,5.85 -2.15,5.85 -1.725,5.425 v1(-1.725,5.025)
  Bottom Layer w0.1: U7.3@-11.9,3.65 -11.9,6.325 v1(-11.65,6.575) ; v1(-1.725,5.025) -1.576,5.025 -1.25,5.35 CON1.58@-1.25,6.07
SCALED_V5: C39.1 R35.1 R36.2 U1.M2 | length 7.8
  Top Layer w0.1: U1.M2@-4.7,17.9 -4.375,17.575 v1@-4.3,17.575
  S1 w0.1: v2@-8.4,16.6 -8.373,16.572 -6.228,16.572 -5.25,17.55 v1(-4.375,17.55)
  Bottom Layer w0.15: v1(-11.5,16.45) -11.32,16.63 C39.1@-10.5,16.63 R35.1@-8.71,16.63
  other v2: -8.35,16.6
SCALED_VDD_3V3_SENSORS: C38.1 R34.1 R78.1 U1.M3 | length 6.6
  Top Layer w0.1: U1.M3@-4.05,17.9 v1(-3.75,18.2)
  S1 w0.1: v1(-7.653,17.65) -7.402,17.4 -5.7,17.4 -5.35,17.75 -4.763,17.75 -4.6,17.912 -4.038,17.912 v1(-3.75,18.2)
  Bottom Layer w0.1: C38.1@-8.553,17.65 v1(-7.653,17.65) R78.1@-6.753,17.65
SDIO1_CARD_DETECT: TF.10
SDMMC1_CLK: TF.5 U1.A12 | length 2.9
  Top Layer w0.1: U1.A12@1.8,25.05 1.9,25.15 v1(1.9,25.451)
  Bottom Layer w0.1: TF.5@2.15,27.75 2.1,27.7 2.125,27.675 2.125,27.3 TF.5@2.2,27.225
  Bottom Layer w0.15: v1(1.9,25.451) 1.9,25.8 2.2,26.1 TF.5@2.2,27.225
SDMMC1_CMD: R53.2 TF.3 U1.D12 | length 9.5
  Top Layer w0.1: v1(1.45,22.726) 1.452,22.726 1.513,22.787 1.5,22.8 U1.D12@1.8,23.1
  Bottom Layer w0.1: v1(1.45,22.726) 2.854,22.726 3.265,23.137 3.687,23.137 4.05,23.5 4.05,24.775 4.362,25.087 4.362,27.75 TF.3@4.35,27.75 4.35,28.45 v2(5,29.1)